# Altium PCB Shaheen.PcbDoc (part 2 of 4) (continued)
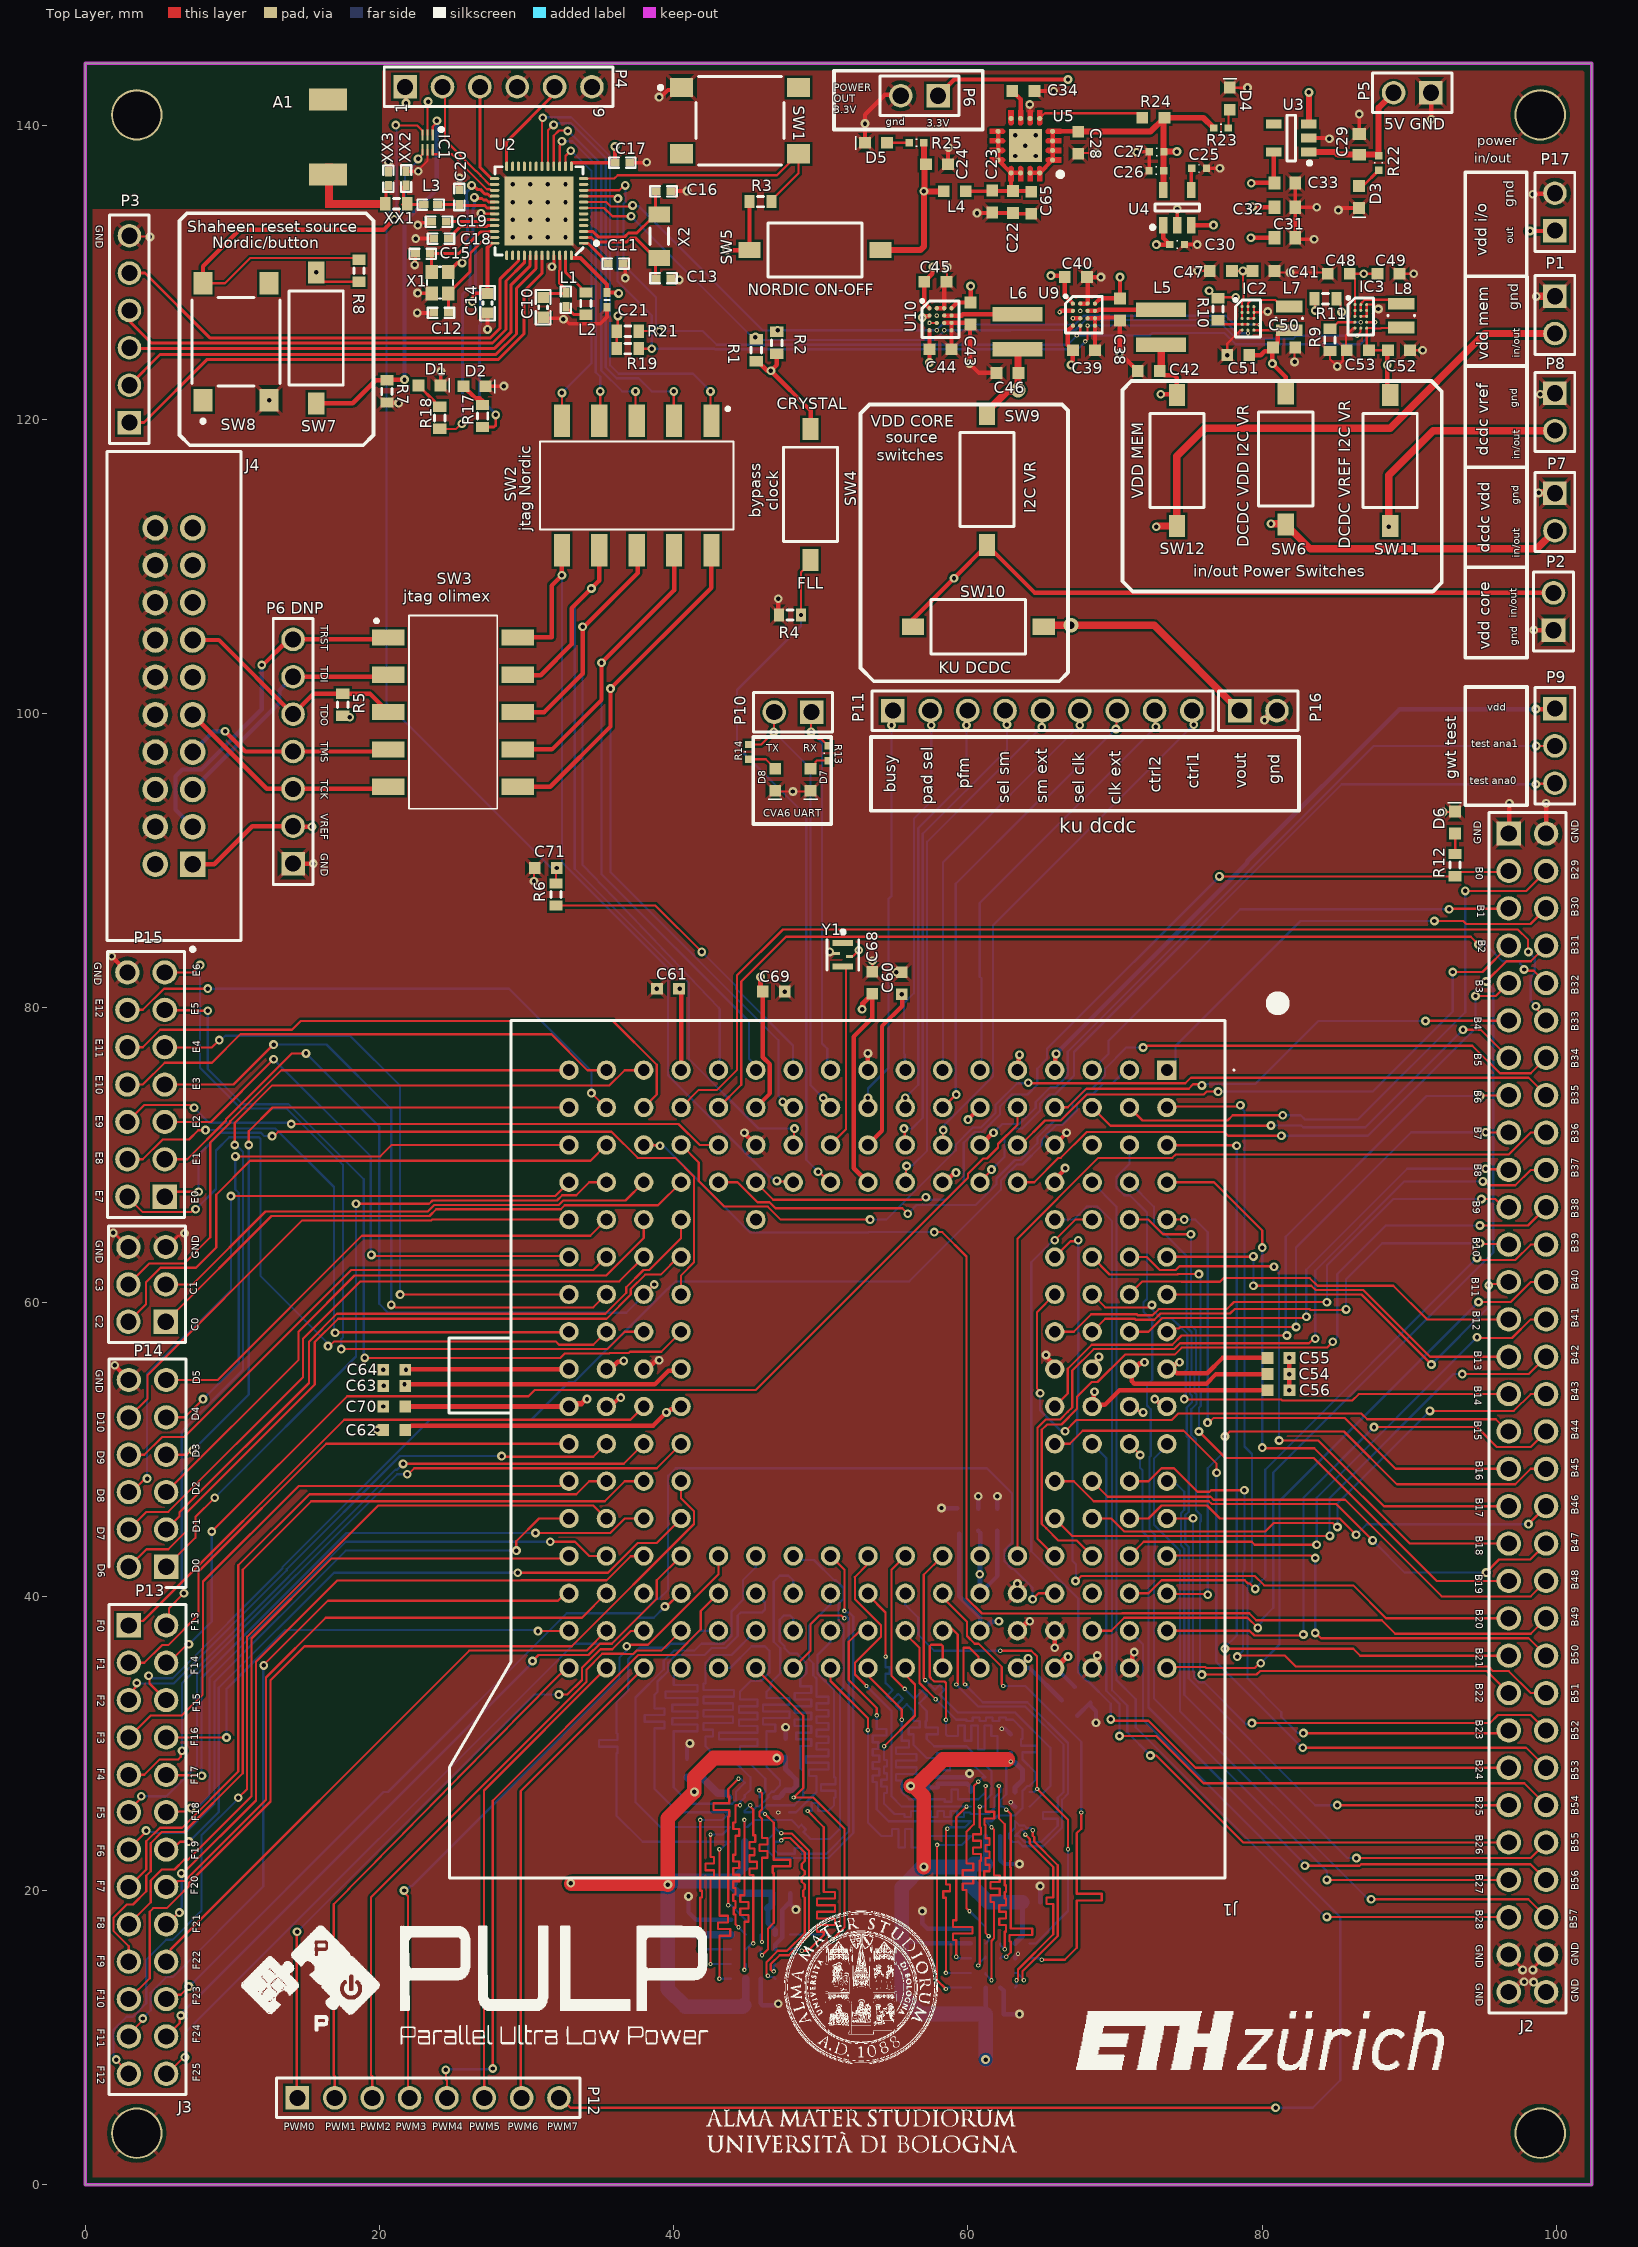
[diagram p0: Top Layer view]
## Nets (pads, with @x,y where several pads share a name; then routed paths per layer and width w, separated by ;. In a path a pad name is that pad's centre, name@x,y a point inside that pad or via, vN(x,y) a via of type N, cw(c..) or ccw(c..) an arc to the next point about the centre after c; other vN are vias at no path point) (continued)
  Top Layer w0.5: v1(80.157,99.553) 80.184,99.553 80.881,100.25 P16.2@81.05,100.25 ; v1(98.63,128.357) P1.1@99.887,128.357 ; v1(98.8,115) P7.1@99.87,115 ; v1(98.9,121.7) P8.1@99.83,121.7
  Bottom Layer w0.15: v1(60.1,27.95) 60.1,27.8 60.19,27.71 U6.E5@60.2,27.7
  Bottom Layer w0.3: C5.1@40.9,28.95 40.9,29.8 v1(41.1,30) ; v1(41,19.6) C8.1@41,18.525 41.525,18 U8.E5@43.9,18 ; U8.C1@45.9,14 45.9,12.325 C7.1@46.025,12.2 46.919,12.2 47.019,12.3 v1(47.1,12.3) ; U8.B3@46.9,16 46.9,16.328 47.375,16.803 47.375,18.675 47.925,19.225 ; C6.1@47.6,30.325 v1(47.6,31.1) ; C9.1@47.925,19.8 47.925,19.225 ; v1(48.3,18.7) 47.925,19.075 47.925,19.225 ; v1(56.9,18.6) C2.1@56.9,17.75 57.25,17.4 U1.E5@60.2,17.4 ; C35.1@57.3,28.25 57.84,27.71 U6.E5@60.19,27.71 ; v1(58.2,46) 58.225,45.975 C66.1@59.275,45.975 ; C57.2@60.7,45.95 v1(60.7,46.8) ; C59.1@62,45.95 v1(62,46.8) ; U1.C1@62.2,13.4 62.425,13.175 C1.1@62.425,11.6 v1(63.5,11.6) ; U6.C1@62.2,23.7 62.2,22.05 C37.1@62.45,21.8 v1(63.5,21.8) ; 62.513,31.013 C36.1@62.9,30.625 ; v2(62.9,26) U6.B3@63.2,25.7 ; U1.B3@63.2,15.4 63.2,15.5 v2(63.4,15.7) ; v1(64.9,20.3) 64.913,20.288 64.913,19.213 C3.1@64.925,19.2 ; C67.2@67.43,31.87 C58.2@68.33,32.77 68.33,32.555 68.7,32.186 v1(68.7,31.4)
  other v1: 20.25,52.9 20.25,55.4 47.55,81.1 55.126,82.414 12.498,121.298 29.044,132.367 30.244,132.367 31.444,132.367 32.644,132.367 29.044,133.567 30.244,133.567 31.444,133.567 32.644,133.567 29.044,134.767 30.244,134.767 31.444,134.767 32.644,134.767 29.044,135.967 30.244,135.967 31.444,135.967 32.644,135.967 63.2,137.9 64.6,137.9 63.9,138.6 63.2,139.3 64.6,139.3 53,140.1
  other v2: 47.1,25.3 62.3,31
GWT_TEST_AN0: J1.M4 P9.3 | length 52.3
  Top Layer w0.15: J1.M4@60.82,68.14 60.82,68.18 61.6,68.96 v1(61.6,69) ; v1(98.6,95.2) 98.63,95.23 99.87,95.23 P9.3@99.9,95.26
  Bottom Layer w0.15: v1(61.6,69) 62.477,69.877 62.477,71.173 63.101,71.798 63.698,71.798 64.9,73 64.9,73.469 65.534,74.103 65.916,74.103 ; 65.916,74.103 67.2,75.387 67.2,77 85.4,95.2 v1(98.6,95.2)
GWT_TEST_AN1: J1.M3 P9.2 | length 51.5
  Top Layer w0.15: J1.M3@60.82,70.68 J1.M3@60.965,70.825 ; v1(98.63,97.8) P9.2@99.9,97.8
  Top Layer w0.3: J1.M3@60.965,70.825 61.013,70.825 61.688,71.5 v1(61.737,71.5)
  Bottom Layer w0.15: v1(61.737,71.5) 62.337,72.1 63.489,72.1 64.6,73.211 64.6,73.6 65.6,74.6 65.989,74.6 66.783,75.394 66.783,77.007 87.576,97.8 v1(98.63,97.8)
GWT_TEST_VDD: J1.P1 P9.1 | length 44.8
  Top Layer w0.15: P9.1@99.86,100.3 P9.1@99.9,100.34
  Top Layer w0.3: J1.P1@65.9,75.76 65.945,75.805 65.945,76.823 v1(65.99,76.868) ; v1(98.6,100.3) P9.1@99.86,100.3
  Bottom Layer w0.3: v1(65.99,76.868) 78.987,89.865 78.987,89.96 89.327,100.3 v1(98.6,100.3)
HYPER2_CK_N: J1.G17 U7.B1 U8.B1 | length 41.5
  Top Layer w0.15: v2(46.4,14.2) 46.3,14.3 46.3,15.124 47.076,15.9 47.7,15.9 48.9,17.1 48.9,18 48.9,19.5 48.8,19.6 48.8,20 48.9,20.1 48.9,20.4 48.7,20.6 48.7,20.9 48.9,21.1 48.9,21.3 48.7,21.5 48.7,21.8 48.9,22 48.9,22.575 47.9,23.575 47.505,23.575 47.455,23.525 47.425,23.525 v2(47.3,23.4) ; J1.G17@48.12,35.12 49.3,36.3 49.3,38.1 49.9,38.7 51.37,38.7 51.445,38.625 51.475,38.625 v2(51.6,38.5)
  Bottom Layer w0.15: v2(46.4,14.2) 46.475,14.125 46.775,14.125 U8.B1@46.9,14 ; v2(47.3,23.4) 47.216,23.316 U7.B1@46.825,23.316 46.825,22.776 47.1,22.5 47.325,22.5 47.775,22.5 48.225,22.5 48.225,22.886 48.675,22.886 48.675,22.5 49.4,22.5 50.376,22.5 51.9,24.024 51.9,38.5 51.8,38.6 v2@51.6,38.6
HYPER2_CK_P: J1.H14 U7.B2 U8.B2 | length 41.3
  Top Layer w0.15: v2@46.7,14.5 46.6,14.6 46.6,15 47.2,15.6 47.824,15.6 49.2,16.976 49.2,22.699 48.024,23.875 47.325,23.875 v2(47.3,23.9) ; J1.H14@50.66,42.74 51.6,41.8 v2(51.6,39)
  Bottom Layer w0.15: v2(46.8,14.5) 46.8,14.9 U8.B2@46.9,15 ; v2@47.24,23.9 U7.B2@46.825,24.316 46.825,23.882 46.424,23.482 46.424,22.676 46.9,22.2 50.5,22.2 52.2,23.9 52.2,38.624 51.924,38.9 v2@51.6,38.9
HYPER2_CSN0: J1.H16 U8.A3 | length 37
  Top Layer w0.15: v2(48.7,15.9) 49.124,15.9 50.2,16.976 50.2,17.201 49.739,17.201 49.739,17.651 50.2,17.651 50.961,17.651 50.961,18.101 50.2,18.101 49.739,18.101 49.739,18.551 50.2,18.551 50.961,18.551 50.961,19.001 50.2,19.001 49.739,19.001 49.739,19.451 50.2,19.451 50.961,19.451 50.961,19.901 50.2,19.901 50.2,20.5 50.2,24.3 v2(49.1,25.4)
  Bottom Layer w0.15: U8.A3@47.9,16 48.559,16 48.659,15.9 v2(48.7,15.9) ; v2(49.1,25.4) 49.375,25.4 49.375,25.951 49.825,25.951 49.825,25.4 50.275,25.4 50.5,25.4 50.9,25.8 50.9,25.875 50.9,26.325 51,26.325 51,26.775 50.9,26.775 50,26.775 50,27.225 50.9,27.225 51,27.225 51,27.675 50.9,27.675 50.9,27.9 50.9,33.631 49.777,34.754 49.777,36.003 50.66,36.886 J1.H16@50.66,37.66
HYPER2_CSN1: J1.H15 U7.A3 | length 29
  Bottom Layer w0.15: U7.A3@47.824,25.316 48.316,25.316 49.7,26.7 49.7,27.775 49.185,27.775 49.185,28.225 49.7,28.225 50.515,28.225 50.515,28.675 49.7,28.675 48.985,28.675 48.985,29.125 49.7,29.125 50.515,29.125 50.515,29.575 49.7,29.575 49.7,30.025 50.515,30.025 50.515,30.475 49.7,30.475 49.7,30.925 50.515,30.925 50.515,31.375 49.7,31.375 49.7,31.825 50.515,31.825 50.515,32.275 49.7,32.275 49.7,32.725 50.515,32.725 50.515,33.175 49.7,33.175 49.7,33.4 49.7,34.407 49.477,34.63 49.477,35.436 49.2,35.713 49.2,38 50.66,39.46 J1.H15@50.66,40.2
HYPER2_D0: J1.G15 U7.D3 U8.D3 | length 42.3
  Top Layer w0.15: v2(45.2,25.8) 45.2,25.7 45.4,25.5 45.4,24.5 45.4,23.75 45.546,23.75 45.546,23.3 45.4,23.3 45.143,23.3 45.143,22.85 45.4,22.85 45.489,22.85 45.489,22.4 45.4,22.4 45.143,22.4 45.143,21.95 45.4,21.95 45.657,21.95 45.657,21.5 45.4,21.5 45.143,21.5 45.143,21.05 45.4,21.05 45.4,20.825 v2(45.4,16.4)
  Bottom Layer w0.15: U8.D3@44.9,16 45.3,16.4 v2(45.4,16.4) ; v2(45.2,25.8) 44.825,25.425 U7.D3@44.825,25.316 45.259,25.316 45.659,25.716 45.816,25.716 46.424,26.325 46.424,26.482 46.659,26.716 46.79,26.716 47.225,27.15 47.225,27.482 46.3,28.406 46.3,30 46.3,30.825 46.897,30.825 46.897,31.275 46.3,31.275 46.057,31.275 46.057,31.725 46.3,31.725 47.872,31.725 47.872,32.175 46.3,32.175 46.057,32.175 46.057,32.625 46.3,32.625 47.872,32.625 47.872,33.075 46.3,33.075 46.3,33.3 46.3,33.5 46.6,33.8 46.6,34.117 47.237,34.754 47.237,36.463 46.8,36.9 46.8,41 47.2,41.4 47.8,41.4 48.12,41.08 J1.G15@48.12,40.2
HYPER2_D1: J1.G14 U7.D2 U8.D2 | length 42.4
  Top Layer w0.15: v2(44.8,14.6) 44.8,17.2 44.8,17.425 44.8,17.875 45.075,17.875 45.075,18.325 44.8,18.325 44.525,18.325 44.525,18.775 44.8,18.775 45.075,18.775 45.075,19.225 44.8,19.225 44.525,19.225 44.525,19.675 44.8,19.675 44.8,24.091 v2(44.8,24.8)
  Bottom Layer w0.15: v2(44.8,14.6) 44.9,14.7 U8.D2@44.9,15 ; v2(44.8,24.8) 44.825,24.776 U7.D2@44.825,24.316 45.016,24.316 45.5,24.8 48,24.8 48.5,24.3 48.505,24.296 48.674,24.465 48.993,24.147 48.823,23.977 49.141,23.659 49.3,23.5 50.6,23.5 51.3,24.2 51.3,33.549 51.543,33.792 51.543,38.026 51.2,38.369 51.2,39.491 51.543,39.834 51.543,40.566 51.026,41.083 50.917,41.083 49.54,42.46 48.4,42.46 J1.G14@48.12,42.74
HYPER2_D2: J1.E17 U7.C4 U8.C4 | length 42.4
  Top Layer w0.15: v2(45.8,26.8) 46,26.6 46,25.53 45.825,25.355 45.825,25.045 46,24.87 46,23.8 46,23.575 46.367,23.575 46.367,23.125 46,23.125 45.833,23.125 45.833,22.675 46,22.675 46.367,22.675 46.367,22.225 46,22.225 46,21.1 v2(46,16.5)
  Bottom Layer w0.15: J1.E17@43.04,35.12 43.82,35.12 45.3,36.6 46.2,36.6 46.5,36.3 46.5,34.791 45.946,34.237 45.237,34.237 44.5,33.5 44.5,33.2 44.5,32.975 45.691,32.975 45.691,32.525 44.5,32.525 44.425,32.525 44.425,32.075 44.5,32.075 45.691,32.075 45.691,31.625 44.5,31.625 44.425,31.625 44.425,31.175 44.5,31.175 45.691,31.175 45.691,30.725 44.5,30.725 43.066,30.725 43.066,30.275 44.5,30.275 45.691,30.275 45.691,29.825 44.5,29.825 44.5,29.324 46.225,27.6 46.225,26.716 U7.C4@45.825,26.316 45.825,26.776 v2(45.8,26.8) ; U8.C4@45.9,17 45.9,16.6 v2(46,16.5)
HYPER2_D3: J1.F16 U7.D4 U8.D4 | length 42.4
  Top Layer w0.15: v2(44.4,17.5) 44.2,17.7 44.2,18.2 44.2,18.375 44.078,18.375 44.078,18.825 44.2,18.825 44.2,19.275 44.046,19.275 44.046,19.725 44.2,19.725 44.2,20.175 44.046,20.175 44.046,20.625 44.2,20.625 44.454,20.625 44.454,21.075 44.2,21.075 44.046,21.075 44.046,21.525 44.2,21.525 44.454,21.525 44.454,21.975 44.2,21.975 44.046,21.975 44.046,22.425 44.2,22.425 44.2,22.875 44.2,23.1 44.2,23.275 44.2,23.725 44.454,23.725 44.454,24.175 44.2,24.175 44.046,24.175 44.046,24.625 44.2,24.625 44.2,25.075 44.2,25.3 44.2,25.8 v2(44.5,25.8)
  Bottom Layer w0.15: v2(44.4,17.5) U8.D4@44.9,17 ; v2(44.5,25.8) 44.5,25.991 U7.D4@44.825,26.316 44.825,26.467 45.225,26.867 45.225,27.676 45.209,27.691 43.957,28.943 43.014,28.943 42.157,29.8 42.157,30.025 42.157,30.475 42.67,30.475 42.67,30.925 42.157,30.925 42.017,30.925 42.017,31.375 42.157,31.375 44.03,31.375 44.03,31.825 42.157,31.825 42.017,31.825 42.017,32.275 42.157,32.275 44.03,32.275 44.03,32.725 42.157,32.725 42.017,32.725 42.017,33.175 42.157,33.175 44.105,33.175 44.105,33.625 42.157,33.625 42.017,33.625 42.017,34.075 42.157,34.075 42.157,34.9 42.157,35.486 42.674,36.003 43.923,36.003 J1.F16@45.58,37.66
HYPER2_D4: J1.D17 U7.D5 U8.D5 | length 42.3
  Top Layer w0.15: v2(43.7,19) 43.7,24 43.7,25.025 43.775,25.025 43.775,25.475 43.7,25.475 42.708,25.475 42.708,25.925 43.7,25.925 43.775,25.925 43.775,26.375 43.7,26.375 43.7,26.6 43.7,26.9 v2(44.4,27.6)
  Bottom Layer w0.15: J1.D17@40.5,35.12 40,34.62 40,34.2 40,33.975 41.622,33.975 41.622,33.525 40,33.525 39.435,33.525 39.435,33.075 40,33.075 41.622,33.075 41.622,32.625 40,32.625 39.904,32.625 39.904,32.175 40,32.175 41.622,32.175 41.622,31.725 40,31.725 39.904,31.725 39.904,31.275 40,31.275 41.622,31.275 41.622,30.825 40,30.825 40,29.9 40,27 41.1,25.9 43.974,25.9 44.225,26.15 44.225,26.716 U7.D5@44.825,27.316 44.54,27.6 v2(44.4,27.6) ; v2(43.7,19) 43.9,19 U8.D5@44.9,18
HYPER2_D5: J1.F15 U7.E3 U8.E3 | length 42.4
  Top Layer w0.15: v2(41.8,16) 41.8,16.9 41.8,19.525 41.91,19.525 41.91,19.975 41.8,19.975 41.8,20.2 v2(41.8,24.8)
  Bottom Layer w0.15: v2(41.8,16) 42.4,16 U8.E3@43.9,16 ; v2(41.8,24.8) 43.309,24.8 U7.E3@43.825,25.316 40.284,25.316 38.7,26.9 38.7,30.5 38.7,31.025 39.368,31.025 39.368,31.475 38.7,31.475 38.032,31.475 38.032,31.925 38.7,31.925 39.368,31.925 39.368,32.375 38.7,32.375 38.7,32.6 38.7,33.3 38.9,33.5 38.9,34.2 39.617,34.917 39.617,35.486 40.134,36.003 42.103,36.003 42.577,36.477 43.53,36.477 44.35,37.297 44.35,38.7 44.55,38.9 46,38.9 46.2,39.1 46.2,39.58 J1.F15@45.58,40.2
HYPER2_D6: J1.F14 U7.E2 U8.E2 | length 42.4
  Top Layer w0.15: v2(42.5,15) 42.5,20.1 42.5,20.925 42.746,20.925 42.746,21.375 42.5,21.375 42.155,21.375 42.155,21.825 42.5,21.825 42.746,21.825 42.746,22.275 42.5,22.275 42.5,22.5 v2(42.5,23.8)
  Bottom Layer w0.15: v2(42.5,15) U8.E2@43.9,15 ; v2(42.5,23.8) 43.309,23.8 U7.E2@43.825,24.316 39.084,24.316 37.4,26 37.4,33.124 39.317,35.041 39.317,35.61 39.69,35.983 39.69,36.003 39.7,35.993 40.01,36.303 41.403,36.303 41.877,36.777 43.406,36.777 43.923,37.294 43.923,38.967 44.697,39.741 44.697,41.083 45.58,41.966 J1.F14@45.58,42.74
HYPER2_D7: J1.E16 U7.E1 U8.E1 | length 42.3
  Top Layer w0.15: v2(43.1,14) 43.1,15.8 43.1,16.925 43.839,16.925 43.839,17.375 43.1,17.375 43.008,17.375 43.008,17.825 43.1,17.825 43.692,17.825 43.692,18.275 43.1,18.275 43.1,18.5 v2(43.1,22.8)
  Bottom Layer w0.15: J1.E16@43.04,37.66 41.749,37.66 40.866,36.777 39.777,36.777 39.5,36.5 37.667,36.5 36.9,35.733 36.9,33.6 36.1,32.8 36.1,30.9 36.1,30.675 36.175,30.675 36.175,30.225 36.1,30.225 34.926,30.225 34.926,29.775 36.1,29.775 36.175,29.775 36.175,29.325 36.1,29.325 36.1,26.8 36.1,25.1 37.884,23.316 U7.E1@43.716,23.316 ; v2(43.1,14) U8.E1@43.9,14 ; v2(43.1,22.8) 43.2,22.8 U7.E1@43.716,23.316 ; U7.E1@43.825,23.316 U7.E1@43.716,23.316
HYPER2_RESET: J1.F17 U7.A4 U8.A4 | length 25.6
  Top Layer w0.15: J1.F17@45.58,35.12 45.58,35.095 48.8,31.875 48.8,26.97 v2(48.147,26.317) 49.483,26.317 51.6,24.2 51.6,17.5 v2(50.8,16.7)
  Bottom Layer w0.15: U8.A4@47.9,17 50.5,17 v2(50.8,16.7)
HYPER2_RWDS: J1.G16 U7.C3 U8.C3 | length 42.1
  Top Layer w0.15: v2(46,15.6) 46.4,16 46.4,17.4 46.8,17.8 46.8,21.1 46.8,21.191 46.725,21.191 46.725,21.641 46.8,21.641 47.915,21.641 47.915,22.091 46.8,22.091 46.8,22.316 46.8,24.6 v2(46.2,25.2)
  Bottom Layer w0.15: U7.C3@45.825,25.316 U7.C3@45.84,25.316 ; v2@45.9,15.7 U8.C3@45.9,16 ; 46.084,25.316 U7.C3@45.84,25.316 ; J1.G16@48.12,37.66 48.12,38.48 47.9,38.7 47.5,38.7 47.2,38.4 47.2,36.924 47.537,36.587 47.537,36.463 47.9,36.1 48.389,36.1 49.003,35.486 49.003,34.754 48.6,34.351 48.6,34.1 48.6,33.875 49.35,33.875 49.35,33.425 48.6,33.425 48.222,33.425 48.222,32.975 48.6,32.975 49.35,32.975 49.35,32.525 48.6,32.525 48.222,32.525 48.222,32.075 48.6,32.075 49.35,32.075 49.35,31.625 48.6,31.625 48.205,31.625 48.205,31.175 48.6,31.175 49.35,31.175 49.35,30.725 48.6,30.725 48.325,30.725 48.325,30.275 48.6,30.275 49.35,30.275 49.35,29.825 48.6,29.825 48.6,29.1 48.6,28.3 48.8,28.1 48.8,26.4 48.2,25.8 46.324,25.8 U7.C3@45.84,25.316
HYPER_CK_N: J1.L16 U1.B1 U6.B1 | length 39.2
  Top Layer w0.15: J1.L16@58.04,37.86 58.84,37.86 59.3,37.4 v2@59.3,34 ; v2@63.4,13.9 63.4,14.624 65.8,17.024 65.8,18.1 65.8,19.075 65.344,19.075 65.344,19.525 65.8,19.525 65.8,19.975 65.8,20.2 65.8,21.6 64.2,23.2 64.2,23.5 v2(63.9,23.8)
  Bottom Layer w0.15: v2(59.2,34) 60.7,32.5 63.9,32.5 66.5,29.9 66.5,26.7 66.1,26.3 66.1,26 66.1,25.775 66.1,25.325 65.1,25.325 65.1,24.875 66.1,24.875 66.1,24.425 66.1,24.4 65,23.3 63.85,23.3 63.45,23.7 U6.B1@63.2,23.7 63.625,24.125 63.7,24.125 63.9,23.925 v2@63.9,23.9 ; U1.B1@63.2,13.4 63.3,13.5 v2(63.3,13.9)
HYPER_CK_P: J1.M17 U1.B2 U6.B2 | length 39.8
  Top Layer w0.15: v2@59.7,34 59.7,36.5 60.1,36.5 60.71,35.89 J1.M17@60.71,35.23 ; J1.M17@60.4,34.9 60.38,34.9 J1.M17@60.71,35.23 ; J1.M17@60.74,35.26 J1.M17@60.71,35.23 ; J1.M17@61.02,34.92 J1.M17@60.82,35.12 J1.M17@60.71,35.23 ; v2@63.7,13.9 63.7,14.5 66.1,16.9 66.1,21.724 64.5,23.324 64.5,23.624 64.4,23.725 v2(64.4,24.1)
  Bottom Layer w0.15: v2(59.8,34) 61,32.8 64.024,32.8 66.8,30.024 66.8,26.576 66.4,26.176 66.4,24.276 65.124,23 63.726,23 63.396,23.33 63.366,23.3 63.034,23.3 62.8,23.534 62.8,23.866 63.2,24.266 U6.B2@63.2,24.7 63.475,24.425 63.824,24.425 64,24.249 64.25,24.249 v2(64.4,24.1) ; U1.B2@63.2,14.4 63.33,14.4 63.8,13.93 v2(63.8,13.9)
HYPER_CSN0: J1.L14 U6.A3 | length 24.9
  Top Layer w0.15: v2(57.1,34.3) 57,34.4 57,41.46 J1.L14@58.28,42.74
  Bottom Layer w0.15: v2(57.1,34.3) 57.6,33.8 57.759,33.641 58.082,33.963 58.4,33.645 58.077,33.323 59.3,32.1 63.2,32.1 65.6,29.7 65.6,27.1 U6.A3@64.2,25.7
HYPER_CSN1: J1.L15 U1.A3 | length 36.1
  Top Layer w0.15: J1.L15@58.28,40.2 58.28,39.92 59.937,38.263 59.937,37.294 60.454,36.777 60.723,36.777 62.3,35.2 62.3,34 v2(62.4,33.9) ; v2(65.015,15.285) 66.585,15.285 67.4,16.1 67.4,18 67.4,19.325 69.097,19.325 69.097,19.775 67.4,19.775 67.4,20 67.4,23.9 67.7,24.2 v2(67.7,25.3)
  Bottom Layer w0.15: v2(62.4,33.9) 63.9,33.9 67.7,30.1 v2(67.7,25.3) ; U1.A3@64.2,15.4 64.859,15.4 64.975,15.285 v2(65.015,15.285)
HYPER_D0: J1.K14 U1.D3 U6.D3 | length 39.3
  Top Layer w0.15: v2(55.7,33.7) 54.8,34.6 54.8,41.8 J1.K14@55.74,42.74 ; v2(60.7,14.9) 60.8,15 60.8,19.6 60.8,22.025 60.875,22.025 60.875,22.475 60.8,22.475 60.346,22.475 60.346,22.925 60.8,22.925 60.875,22.925 60.875,23.375 60.8,23.375 60.346,23.375 60.346,23.825 60.8,23.825 60.875,23.825 60.875,24.275 60.8,24.275 60.8,24.5 v2(60.8,25.7)
  Bottom Layer w0.15: v2(55.7,33.7) 56.2,33.2 56.359,33.041 56.892,33.574 57.21,33.256 56.677,32.723 56.996,32.405 57.2,32.2 57.2,31.975 57.2,31.525 57.125,31.525 57.125,31.075 57.2,31.075 57.954,31.075 57.954,30.625 57.2,30.625 57.2,30.3 57.7,29.8 59.9,29.8 61.6,28.1 61.6,26.534 61.2,26.134 U6.D3@61.2,25.7 v2(60.8,25.7) ; v2(60.7,14.9) 60.7,15 61.2,15.5 U1.D3@61.2,15.4
HYPER_D1: J1.K16 U1.D2 U6.D2 | length 39.2
  Top Layer w0.15: J1.K16@55.74,37.66 55.74,37.46 56.7,36.5 56.7,34.1 v2(57.8,33) ; v2(61.6,13.9) 61.6,16.57 61.775,16.745 61.775,19 61.775,19.225 61.534,19.225 61.534,19.675 61.775,19.675 62.166,19.675 62.166,20.125 61.775,20.125 61.534,20.125 61.534,20.575 61.775,20.575 62.166,20.575 62.166,21.025 61.775,21.025 61.775,23.1 61.775,24.125 v2(61.6,24.3)
  Bottom Layer w0.15: v2(57.8,33) 59.2,31.6 59.425,31.6 59.875,31.6 59.875,31.525 60.325,31.525 60.325,31.6 60.325,31.767 60.775,31.767 60.775,31.6 60.775,31.525 61.225,31.525 61.225,31.6 61.225,31.767 61.675,31.767 61.675,31.6 61.675,31.525 62.125,31.525 62.125,31.6 62.125,31.767 62.575,31.767 62.575,31.6 63.025,31.6 63.068,31.6 63.7,30.968 63.7,30.743 63.7,30.293 63.608,30.293 63.608,29.843 63.7,29.843 64.667,29.843 64.667,29.393 63.7,29.393 63.7,28.943 63.7,28.9 64.6,28 64.6,27.534 64.2,27.134 64.2,27.1 64.034,27.1 63.7,26.766 63.7,25.6 63.2,25.1 62.034,25.1 61.634,24.7 U6.D2@61.2,24.7 v2(61.6,24.3) ; U1.D2@61.2,14.4 61.2,14.3 v2(61.6,13.9)
HYPER_D2: J1.K17 U1.C4 U6.C4 | length 39.1
  Top Layer w0.15: v2(54.3,29.8) 56.4,31.9 56.4,34 55.74,34.66 J1.K17@55.74,35.12 ; v2(62.1,27.1) 62.1,24.9 62.5,24.5 62.5,20.575 62.5,20.35 62.575,20.35 62.575,19.9 62.5,19.9 62.5,19.45 62.575,19.45 62.575,19 62.5,19 62.125,19 62.125,18.55 62.5,18.55 62.575,18.55 62.575,18.1 62.5,18.1 62.125,18.1 62.125,17.65 62.5,17.65 62.575,17.65 62.575,17.2 62.5,17.2 v2(62.5,16)
  Bottom Layer w0.15: v2(54.3,29.8) 54.3,29.1 54.3,28.875 54.497,28.875 54.497,28.425 54.3,28.425 54.3,27.975 54.497,27.975 54.497,27.525 54.3,27.525 54.103,27.525 54.103,27.075 54.3,27.075 54.497,27.075 54.497,26.625 54.3,26.625 54.3,26.175 54.3,25.9 55,25.2 55.225,25.2 55.675,25.2 55.675,25.003 56.125,25.003 56.125,25.2 56.125,25.397 56.575,25.397 56.575,25.2 56.575,25.003 57.025,25.003 57.025,25.2 57.025,25.397 57.475,25.397 57.475,25.2 57.475,25.003 57.925,25.003 57.925,25.2 57.925,25.397 58.375,25.397 58.375,25.2 58.375,25.003 58.825,25.003 58.825,25.2 58.825,25.397 59.275,25.397 59.275,25.2 59.275,25.003 59.725,25.003 59.725,25.2 59.725,25.298 60.175,25.298 60.175,25.2 61.4,25.2 61.8,25.6 61.8,26.3 U6.C4@62.2,26.7 v2@62.2,27 ; U1.C4@62.2,16.4 62.2,16.3 v2(62.5,16)
HYPER_D3: J1.J17 U1.D4 U6.D4 | length 39.8
  Top Layer w0.15: J1.J17@53.2,35.12 53.2,34.6 55.5,32.3 v2(55.5,31.6) ; v2(61.2,27.1) 61.2,26.7 61.2,25.8 61.2,25.35 61.788,25.35 61.788,24.9 61.2,24.9 61.125,24.9 61.125,24.45 61.2,24.45 61.2,24 61.2,23.55 61.463,23.55 61.463,23.1 61.2,23.1 61.2,22.65 61.463,22.65 61.463,22.2 61.2,22.2 61.2,21.75 61.463,21.75 61.463,21.3 61.2,21.3 61.112,21.3 61.112,20.85 61.2,20.85 61.2,20.625 61.2,17.1 v2(61.4,16.9)
  Bottom Layer w0.15: J1.J17@53.2,34.6 J1.J17@53.2,35.12 ; v2(55.5,31.6) 55.5,30.4 55.5,30.175 56,30.175 56,29.725 55.5,29.725 55.1,29.725 55.1,29.275 55.5,29.275 56.5,29.275 56.5,28.825 55.5,28.825 55.1,28.825 55.1,28.375 55.5,28.375 56.5,28.375 56.5,27.925 55.5,27.925 55.1,27.925 55.1,27.475 55.5,27.475 55.5,27.1 55.5,26.7 56,26.2 56.6,26.2 56.975,26.2 56.975,26.025 57.425,26.025 57.425,26.2 57.875,26.2 58.1,26.2 58.425,26.2 58.425,26.025 58.875,26.025 58.875,26.2 58.875,26.86 59.325,26.86 59.325,26.2 59.775,26.2 60,26.2 60.7,26.2 U6.D4@61.2,26.7 v2(61.2,27.1) ; U1.D4@61.2,16.4 61.4,16.6 v2(61.4,16.9)
HYPER_D4: J1.J15 U1.D5 U6.D5 | length 39.2
  Top Layer w0.15: J1.J15@53.2,40.2 53.2,40.1 54.4,38.9 v2(54.4,35.9) ; v2(60.1,18.6) 59.9,18.8 59.9,19.8 59.9,20.025 59.649,20.025 59.649,20.475 59.9,20.475 60.351,20.475 60.351,20.925 59.9,20.925 59.649,20.925 59.649,21.375 59.9,21.375 60.351,21.375 60.351,21.825 59.9,21.825 59.9,23.3 59.9,24 60.4,24.5 60.4,27.1 v2(60.7,27.4)
  Bottom Layer w0.15: v2(54.4,35.9) 54.4,35.4 54.4,35.175 54.68,35.175 54.68,34.725 54.4,34.725 54.4,34.275 54.4,34.1 54.559,33.941 54.877,33.623 54.465,33.21 54.783,32.892 55.196,33.305 55.255,33.364 55.573,33.046 55.514,32.986 55.101,32.574 55.419,32.255 55.832,32.668 56.15,32.35 56.3,32.2 56.3,31.975 56.3,31.525 56.723,31.525 56.723,31.075 56.3,31.075 55.977,31.075 55.977,30.625 56.3,30.625 56.3,30.175 56.3,29.9 57.2,29 57.425,29 57.875,29 57.875,29.323 58.325,29.323 58.325,29 58.325,28.177 58.775,28.177 58.775,29 58.775,29.323 59.225,29.323 59.225,29 59.9,29 U6.D5@61.2,27.7 61,27.7 v2(60.7,27.4) ; v2(60.1,18.6) 61.2,17.5 U1.D5@61.2,17.4
HYPER_D5: J1.J14 U1.E3 U6.E3 | length 39.5
  Top Layer w0.15: v2(53.1,33.9) 52.317,34.683 52.317,35.486 54.083,37.252 54.083,38.026 52.317,39.792 52.317,41.283 52.3,41.3 53.2,42.2 J1.J14@53.2,42.74 ; v2(59.2,15.5) 59.2,16.4 59.2,16.625 58.985,16.625 58.985,17.075 59.2,17.075 60.315,17.075 60.315,17.525 59.2,17.525 58.985,17.525 58.985,17.975 59.2,17.975 59.2,20 59.2,25 v2(59.9,25.7)
  Bottom Layer w0.15: v2(53.1,33.9) 54.8,32.2 54.8,26.4 55.5,25.7 v2(59.9,25.7) U6.E3@60.2,25.7 ; v2(59.2,15.5) 59.3,15.4 U1.E3@60.2,15.4
HYPER_D6: J1.J16 U1.E2 U6.E2 | length 39.7
  Top Layer w0.15: J1.J16@53.2,37.2 J1.J16@53.2,37.66 52.66,37.66 51.9,36.9 51.9,34.3 53.8,32.4 v2(53.8,31.9) ; v2(58.5,14.4) 58.5,19.275 58.5,19.5 58.315,19.5 58.315,19.95 58.5,19.95 58.785,19.95 58.785,20.4 58.5,20.4 58.5,22.4 58.5,24.1 v2(58.6,24.2)
  Bottom Layer w0.15: v2(53.8,31.9) 53.8,31.2 53.8,30.975 54.47,30.975 54.47,30.525 53.8,30.525 53.53,30.525 53.53,30.075 53.8,30.075 53.895,30.075 53.895,29.625 53.8,29.625 53.53,29.625 53.53,29.175 53.8,29.175 53.97,29.175 53.97,28.725 53.8,28.725 53.53,28.725 53.53,28.275 53.8,28.275 53.97,28.275 53.97,27.825 53.8,27.825 53.53,27.825 53.53,27.375 53.8,27.375 53.8,25.8 53.8,25.5 54.6,24.7 U6.E2@60.2,24.7 59.8,24.3 58.7,24.3 v2(58.6,24.2) ; v2(58.5,14.4) U1.E2@60.2,14.4
HYPER_D7: J1.H17 U1.E1 U6.E1 | length 39.2
  Top Layer w0.15: J1.H17@50.66,35.12 50.66,34.24 53.2,31.7 v2(53.2,30.9) ; v2(57.9,23.1) 57.9,13.9 v2(58.5,13.3)
  Bottom Layer w0.15: v2(53.2,30.9) 53.2,24.6 54.1,23.7 54.6,23.7 54.825,23.7 54.825,24.172 55.275,24.172 55.275,23.7 55.275,22.928 55.725,22.928 55.725,23.7 55.725,24.172 56.175,24.172 56.175,23.7 56.175,22.928 56.625,22.928 56.625,23.7 56.625,24.172 57.075,24.172 57.075,23.7 57.6,23.7 U6.E1@60.2,23.7 59.6,23.1 v2(57.9,23.1) ; v2(58.5,13.3) 58.6,13.4 U1.E1@60.2,13.4
HYPER_RESET: J1.K15 U1.A4 U6.A4 | length 34.1
  Top Layer w0.15: v2(62.2,36.3) 64.3,36.3 64.7,35.9 v2(64.7,26.9) 66.8,24.8 v2(66.8,22.8)
  Bottom Layer w0.15: J1.K15@55.74,40.2 55.74,39.426 56.623,38.543 56.623,37.377 57.7,36.3 v2(62.2,36.3) ; U1.A4@64.2,16.4 64.6,16.4 66.8,18.6 v2(66.8,22.8) ; U6.A4@64.2,26.7 64.5,26.7 v2(64.7,26.9)
HYPER_RWDS: J1.L17 U1.C3 U6.C3 | length 39.2
  Top Layer w0.15: J1.L17@58.28,35.12 58.28,36.62 58.2,36.7 57.5,36.7 57.4,36.6 57.4,34.53 57.475,34.455 57.475,34.425 57.7,34.2 58.4,34.2 58.5,34.1 v2(58.5,31.6) ; v2(62.6,15.5) 62.9,15.8 62.9,16.3 62.9,16.525 62.825,16.525 62.825,16.975 62.9,16.975 64.37,16.975 64.37,17.425 62.9,17.425 62.9,17.875 62.9,20.9 62.9,21.558 62.875,21.583 62.875,22.017 62.9,22.042 62.9,25.2 v2(62.6,25.5)
  Bottom Layer w0.15: v2(58.5,31.6) 58.5,30.6 58.6,30.5 59.1,30.5 59.325,30.5 59.325,31.22 59.775,31.22 59.775,30.5 59.775,30.18 60.225,30.18 60.225,30.5 60.225,31.22 60.675,31.22 60.675,30.5 60.675,29.58 61.125,29.58 61.125,30.5 61.125,31.22 61.575,31.22 61.575,30.5 62,30.5 62,29.096 62.6,28.496 62.6,26.534 62.2,26.134 U6.C3@62.2,25.7 62.4,25.7 v2(62.6,25.5) ; U1.C3@62.2,15.4 62.3,15.5 v2(62.6,15.5)